# EAGLE board working (EAGLE 9.6.2), part 27 of 28
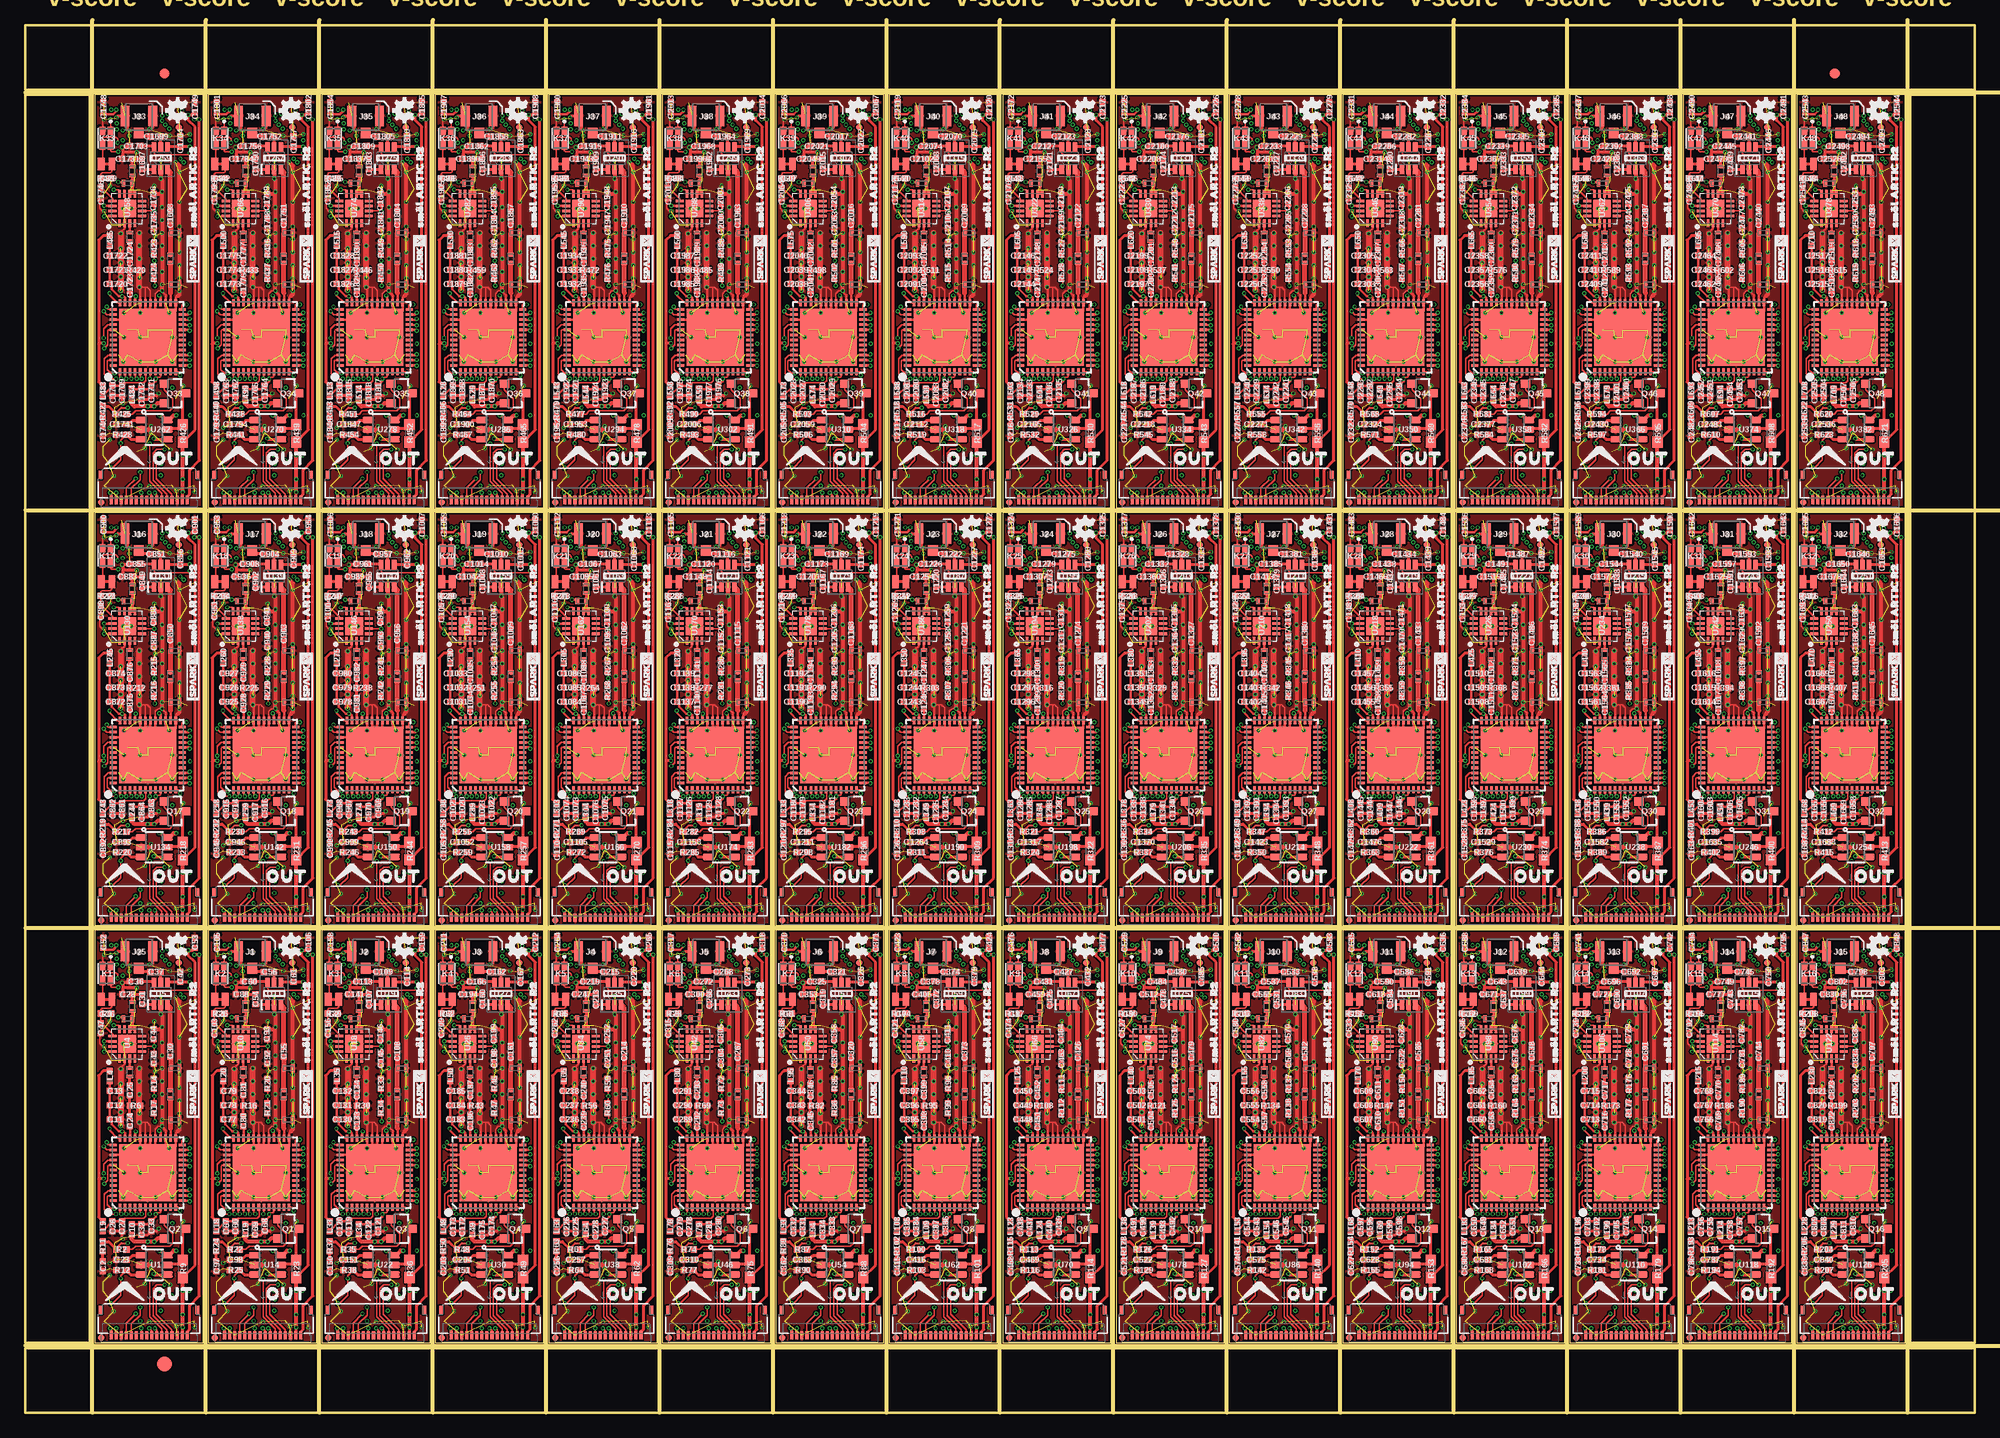
[diagram p0: board, top side]
## Tracks (layer width: path | path; a pad name or v marks a point on that pad's centre or on a via) (continued)
V_USB42  (via drill 0.2) (continued)
  Bottom 0.254: IN42.16 v120.2,128.34 v120.2,128.33
V_USB43  (via drill 0.2)
  Top 0.305: OUT43.16 131.38,90.52 v131.29,90.62
  Route15 0.305: v131.38,128.33 130.43,128.33 130.17,128.08 130.17,108.08 131.16,107.09 131.16,104.53 130.12,103.49 130.12,91.78 v131.29,90.62
  Bottom 0.254: IN43.16 v131.38,128.34 v131.38,128.33
V_USB44  (via drill 0.2)
  Top 0.305: OUT44.16 142.55,90.52 v142.46,90.62
  Route15 0.305: v142.56,128.33 141.61,128.33 141.35,128.08 141.35,108.08 142.34,107.09 142.34,104.53 141.3,103.49 141.3,91.78 v142.46,90.62
  Bottom 0.254: IN44.16 v142.55,128.34 v142.56,128.33
V_USB45  (via drill 0.2)
  Top 0.305: OUT45.16 153.73,90.52 v153.64,90.62
  Route15 0.305: v153.73,128.33 152.78,128.33 152.53,128.08 152.53,108.08 153.52,107.09 153.52,104.53 152.48,103.49 152.48,91.78 v153.64,90.62
  Bottom 0.254: IN45.16 v153.73,128.34 v153.73,128.33
V_USB46  (via drill 0.2)
  Top 0.305: OUT46.16 164.91,90.52 v164.81,90.62
  Route15 0.305: v164.91,128.33 163.96,128.33 163.7,128.08 163.7,108.08 164.69,107.09 164.69,104.53 163.65,103.49 163.65,91.78 v164.81,90.62
  Bottom 0.254: IN46.16 v164.91,128.34 v164.91,128.33
V_USB47  (via drill 0.2)
  Top 0.305: OUT47.16 176.08,90.52 v175.99,90.62
  Route15 0.305: v176.09,128.33 175.13,128.33 174.88,128.08 174.88,108.08 175.87,107.09 175.87,104.53 174.83,103.49 174.83,91.78 v175.99,90.62
  Bottom 0.254: IN47.16 v176.08,128.34 v176.09,128.33
VDD  (via drill 0.2)
  Top 0.254: L6.P$1 9.54,38.93 v9.14,38.93
  Top 0.406: Q2.2 13.03,17.15 12.71,16.83 v12.7,16.83 v12.06,16.83 10.74,16.83 10.48,17.09 L10.2
  Route15 0.254: v16.22,23 13.53,23
  Route15 0.305: v15.27,41.21 v15.61,40.88 15.68,40.8 15.68,27.88 14.54,26.73 14.1,26.73 13.53,26.16 13.53,23 13.53,19.43 12.38,18.29 12.38,16.83
  Route15 0.406: v12.06,16.83 12.38,16.83 v12.7,16.83
  Bottom 0.203: U2.1 8.9,14.97 8.7,15.18 7.81,15.18 7.6,14.97 U2.3
  Bottom 0.254: C19.1 9.27,39.05 v9.14,38.93 9.14,38.35 R3.2
  Bottom 0.406: C19.1 C16.1 C14.1 9.79,41.47 10.73,42.42 14.07,42.42 v15.61,40.88 | L1.2 13.85,16.64 13.66,16.83 v12.7,16.83 12.38,16.83 | 12.38,16.83 v12.06,16.83 | C49.1 8.96,14.11 U2.1 8.88,14.13 8.88,13.08 C3.1 C45.1 9.72,11.94 9.98,12.19 C51.1 9.94,12.35 U8.8 11.13,11.01 13.21,13.08 13.21,14.8 12.38,15.62 12.38,16.83 | v15.61,40.88 v15.27,41.21 | L3.2 8.96,30.29 12.7,30.29 13.14,30.73 13.97,30.73 14.67,31.43 16.07,31.43 VDD.1 16,33.15 16,36.38 16.89,37.27 U6.3 C46.1 16.04,39.7 16.04,39.82 | U6.1 14.99,38.78 16.04,39.82 | 16.04,39.82 16.04,40.45 v15.61,40.88 | v16.22,23 15.49,23.73 L15.2
VDD1  (via drill 0.2)
  Top 0.254: L25.P$1 20.71,38.93 v20.32,38.93
  Top 0.406: Q1.2 24.21,17.15 23.89,16.83 v23.88,16.83 v23.24,16.83 21.91,16.83 21.65,17.09 L19.2
  Route15 0.254: v27.4,23 24.7,23
  Route15 0.305: v26.45,41.21 v26.78,40.88 26.86,40.8 26.86,27.88 25.72,26.73 25.27,26.73 24.7,26.16 24.7,23 24.7,19.43 23.56,18.29 23.56,16.83
  Route15 0.406: v23.24,16.83 23.56,16.83 v23.88,16.83
  Bottom 0.203: U12.1 20.08,14.97 19.88,15.18 18.99,15.18 18.78,14.97 U12.3
  Bottom 0.254: C89.1 20.45,39.05 v20.32,38.93 20.32,38.35 R19.2
  Bottom 0.406: C89.1 C90.1 C91.1 20.96,41.47 21.91,42.42 25.24,42.42 v26.78,40.88 | L30.2 25.03,16.64 24.84,16.83 v23.88,16.83 23.56,16.83 | 23.56,16.83 v23.24,16.83 | C100.1 20.14,14.11 U12.1 20.05,14.13 20.05,13.08 C58.1 C99.1 20.9,11.94 21.15,12.19 C104.1 21.12,12.35 U16.8 22.31,11.01 24.38,13.08 24.38,14.8 23.56,15.62 23.56,16.83 | v26.78,40.88 v26.45,41.21 | L21.2 20.14,30.29 23.88,30.29 24.32,30.73 25.15,30.73 25.84,31.43 27.24,31.43 VDD1.1 27.18,33.15 27.18,36.38 28.06,37.27 U13.3 C101.1 27.21,39.7 27.21,39.82 | U13.1 26.16,38.78 27.21,39.82 | 27.21,39.82 27.21,40.45 v26.78,40.88 | v27.4,23 26.67,23.73 L17.2
VDD2  (via drill 0.2)
  Top 0.254: L40.P$1 31.89,38.93 v31.5,38.93
  Top 0.406: Q3.2 35.38,17.15 35.06,16.83 v35.05,16.83 v34.42,16.83 33.09,16.83 32.83,17.09 L34.2
  Route15 0.254: v38.57,23 35.88,23
  Route15 0.305: v37.63,41.21 v37.96,40.88 38.04,40.8 38.04,27.88 36.89,26.73 36.45,26.73 35.88,26.16 35.88,23 35.88,19.43 34.73,18.29 34.73,16.83
  Route15 0.406: v34.42,16.83 34.73,16.83 v35.05,16.83
  Bottom 0.203: U20.1 31.26,14.97 31.05,15.18 30.16,15.18 29.96,14.97 U20.3
  Bottom 0.254: C142.1 31.62,39.05 v31.5,38.93 31.5,38.35 R32.2
  Bottom 0.406: C142.1 C143.1 C144.1 32.14,41.47 33.08,42.42 36.42,42.42 v37.96,40.88 | L45.2 36.2,16.64 36.01,16.83 v35.05,16.83 34.73,16.83 | 34.73,16.83 v34.42,16.83 | C153.1 31.31,14.11 U20.1 31.23,14.13 31.23,13.08 C111.1 C152.1 32.08,11.94 32.33,12.19 C157.1 32.29,12.35 U24.8 33.49,11.01 35.56,13.08 35.56,14.8 34.73,15.62 34.73,16.83 | v37.96,40.88 v37.63,41.21 | L36.2 31.31,30.29 35.05,30.29 35.5,30.73 36.32,30.73 37.02,31.43 38.42,31.43 VDD2.1 38.35,33.15 38.35,36.38 39.24,37.27 U21.3 C154.1 38.39,39.7 38.39,39.82 | U21.1 37.34,38.78 38.39,39.82 | 38.39,39.82 38.39,40.45 v37.96,40.88 | v38.57,23 37.85,23.73 L32.2
VDD3  (via drill 0.2)
  Top 0.254: L55.P$1 43.07,38.93 v42.67,38.93
  Top 0.406: Q4.2 46.56,17.15 46.24,16.83 v46.23,16.83 v45.59,16.83 44.27,16.83 44.01,17.09 L49.2
  Route15 0.254: v49.75,23 47.05,23
  Route15 0.305: v48.8,41.21 v49.13,40.88 49.21,40.8 49.21,27.88 48.07,26.73 47.62,26.73 47.05,26.16 47.05,23 47.05,19.43 45.91,18.29 45.91,16.83
  Route15 0.406: v45.59,16.83 45.91,16.83 v46.23,16.83
  Bottom 0.203: U28.1 42.43,14.97 42.23,15.18 41.34,15.18 41.13,14.97 U28.3
  Bottom 0.254: C195.1 42.8,39.05 v42.67,38.93 42.67,38.35 R45.2
  Bottom 0.406: C195.1 C196.1 C197.1 43.31,41.47 44.26,42.42 47.6,42.42 v49.13,40.88 | L60.2 47.38,16.64 47.19,16.83 v46.23,16.83 45.91,16.83 | 45.91,16.83 v45.59,16.83 | C206.1 42.49,14.11 U28.1 42.41,14.13 42.41,13.08 C164.1 C205.1 43.25,11.94 43.51,12.19 C210.1 43.47,12.35 U32.8 44.66,11.01 46.74,13.08 46.74,14.8 45.91,15.62 45.91,16.83 | v49.13,40.88 v48.8,41.21 | L51.2 42.49,30.29 46.23,30.29 46.67,30.73 47.5,30.73 48.2,31.43 49.59,31.43 VDD3.1 49.53,33.15 49.53,36.38 50.42,37.27 U29.3 C207.1 49.56,39.7 49.56,39.82 | U29.1 48.52,38.78 49.56,39.82 | 49.56,39.82 49.56,40.45 v49.13,40.88 | v49.75,23 49.02,23.73 L47.2
VDD4  (via drill 0.2)
  Top 0.254: L70.P$1 54.24,38.93 v53.85,38.93
  Top 0.406: Q5.2 57.74,17.15 v57.42,16.83 v57.4,16.83 v56.77,16.83 55.44,16.83 55.18,17.09 L64.2
  Route15 0.254: v60.92,23 58.23,23
  Route15 0.305: v59.98,41.21 v60.31,40.88 60.39,40.8 60.39,27.88 59.25,26.73 58.8,26.73 58.23,26.16 58.23,23 58.23,19.43 57.09,18.29 57.09,16.83
  Route15 0.406: v56.77,16.83 57.09,16.83 v57.4,16.83
  Bottom 0.203: U36.1 53.61,14.97 53.4,15.18 52.51,15.18 52.31,14.97 U36.3
  Bottom 0.254: C248.1 53.97,39.05 v53.85,38.93 53.85,38.35 R58.2
  Bottom 0.406: C248.1 C249.1 C250.1 54.49,41.47 55.44,42.42 58.77,42.42 v60.31,40.88 | L75.2 58.55,16.64 58.36,16.83 v57.4,16.83 57.09,16.83 | 57.09,16.83 v56.77,16.83 | C259.1 53.66,14.11 U36.1 53.58,14.13 53.58,13.08 C217.1 C258.1 54.43,11.94 54.68,12.19 C263.1 54.65,12.35 U40.8 55.84,11.01 57.91,13.08 57.91,14.8 57.09,15.62 57.09,16.83 | v60.31,40.88 v59.98,41.21 | L66.2 53.66,30.29 57.4,30.29 57.85,30.73 58.67,30.73 59.37,31.43 60.77,31.43 VDD4.1 60.71,33.15 60.71,36.38 61.59,37.27 U37.3 C260.1 60.74,39.7 60.74,39.82 | U37.1 59.69,38.78 60.74,39.82 | 60.74,39.82 60.74,40.45 v60.31,40.88 | v60.92,23 60.2,23.73 L62.2
VDD5  (via drill 0.2)
  Top 0.254: L85.P$1 65.42,38.93 v65.02,38.93
  Top 0.406: Q6.2 68.91,17.15 68.59,16.83 v68.58,16.83 v67.95,16.83 66.62,16.83 66.36,17.09 L79.2
  Route15 0.254: v72.1,23 69.41,23
  Route15 0.305: v71.15,41.21 v71.49,40.88 71.56,40.8 71.56,27.88 70.42,26.73 69.98,26.73 69.41,26.16 69.41,23 69.41,19.43 68.26,18.29 68.26,16.83
  Route15 0.406: v67.95,16.83 68.26,16.83 v68.58,16.83
  Bottom 0.203: U44.1 64.78,14.97 64.58,15.18 63.69,15.18 63.48,14.97 U44.3
  Bottom 0.254: C301.1 65.15,39.05 v65.02,38.93 65.02,38.35 R71.2
  Bottom 0.406: C301.1 C302.1 C303.1 65.67,41.47 66.61,42.42 69.95,42.42 v71.49,40.88 | L90.2 69.73,16.64 69.54,16.83 v68.58,16.83 68.26,16.83 | 68.26,16.83 v67.95,16.83 | C312.1 64.84,14.11 U44.1 64.76,14.13 64.76,13.08 C270.1 C311.1 65.6,11.94 65.86,12.19 C316.1 65.82,12.35 U48.8 67.02,11.01 69.09,13.08 69.09,14.8 68.26,15.62 68.26,16.83 | v71.49,40.88 v71.15,41.21 | L81.2 64.84,30.29 68.58,30.29 69.02,30.73 69.85,30.73 70.55,31.43 71.95,31.43 VDD5.1 71.88,33.15 71.88,36.38 72.77,37.27 U45.3 C313.1 71.92,39.7 71.92,39.82 | U45.1 70.87,38.78 71.92,39.82 | 71.92,39.82 71.92,40.45 v71.49,40.88 | v72.1,23 71.37,23.73 L77.2
VDD6  (via drill 0.2)
  Top 0.254: L100.P$1 76.59,38.93 v76.2,38.93
  Top 0.406: Q7.2 80.09,17.15 79.77,16.83 v79.76,16.83 v79.12,16.83 77.8,16.83 77.53,17.09 L94.2
  Route15 0.254: v83.28,23 80.58,23
  Route15 0.305: v82.33,41.21 v82.66,40.88 82.74,40.8 82.74,27.88 81.6,26.73 81.15,26.73 80.58,26.16 80.58,23 80.58,19.43 79.44,18.29 79.44,16.83
  Route15 0.406: v79.12,16.83 79.44,16.83 v79.76,16.83
  Bottom 0.203: U52.1 75.96,14.97 75.76,15.18 74.87,15.18 74.66,14.97 U52.3
  Bottom 0.254: C354.1 76.33,39.05 v76.2,38.93 76.2,38.35 R84.2
  Bottom 0.406: C354.1 C355.1 C356.1 76.84,41.47 77.79,42.42 81.12,42.42 v82.66,40.88 | L105.2 80.91,16.64 80.72,16.83 v79.76,16.83 79.44,16.83 | 79.44,16.83 v79.12,16.83 | C365.1 76.02,14.11 U52.1 75.94,14.13 75.94,13.08 C323.1 C364.1 76.78,11.94 77.03,12.19 C369.1 77,12.35 U56.8 78.19,11.01 80.26,13.08 80.26,14.8 79.44,15.62 79.44,16.83 | v82.66,40.88 v82.33,41.21 | L96.2 76.02,30.29 79.76,30.29 80.2,30.73 81.03,30.73 81.73,31.43 83.12,31.43 VDD6.1 83.06,33.15 83.06,36.38 83.95,37.27 U53.3 C366.1 83.09,39.7 83.09,39.82 | U53.1 82.04,38.78 83.09,39.82 | 83.09,39.82 83.09,40.45 v82.66,40.88 | v83.28,23 82.55,23.73 L92.2
VDD7  (via drill 0.2)
  Top 0.254: L115.P$1 87.77,38.93 v87.38,38.93
  Top 0.406: Q8.2 91.27,17.15 90.95,16.83 v90.93,16.83 v90.3,16.83 88.97,16.83 88.71,17.09 L109.2
  Route15 0.254: v94.45,23 91.76,23
  Route15 0.305: v93.51,41.21 v93.84,40.88 93.92,40.8 93.92,27.88 92.77,26.73 92.33,26.73 91.76,26.16 91.76,23 91.76,19.43 90.62,18.29 90.62,16.83
  Route15 0.406: v90.3,16.83 90.62,16.83 v90.93,16.83
  Bottom 0.203: U60.1 87.14,14.97 86.93,15.18 86.04,15.18 85.84,14.97 U60.3
  Bottom 0.254: C407.1 87.5,39.05 v87.38,38.93 87.38,38.35 R97.2
  Bottom 0.406: C407.1 C408.1 C409.1 88.02,41.47 88.96,42.42 92.3,42.42 v93.84,40.88 | L120.2 92.08,16.64 91.89,16.83 v90.93,16.83 90.62,16.83 | 90.62,16.83 v90.3,16.83 | C418.1 87.19,14.11 U60.1 87.11,14.13 87.11,13.08 C376.1 C417.1 87.95,11.94 88.21,12.19 C422.1 88.17,12.35 U64.8 89.37,11.01 91.44,13.08 91.44,14.8 90.62,15.62 90.62,16.83 | v93.84,40.88 v93.51,41.21 | L111.2 87.19,30.29 90.93,30.29 91.38,30.73 92.2,30.73 92.9,31.43 94.3,31.43 VDD7.1 94.23,33.15 94.23,36.38 95.12,37.27 U61.3 C419.1 94.27,39.7 94.27,39.82 | U61.1 93.22,38.78 94.27,39.82 | 94.27,39.82 94.27,40.45 v93.84,40.88 | v94.45,23 93.73,23.73 L107.2
VDD8  (via drill 0.2)
  Top 0.254: L130.P$1 98.95,38.93 v98.55,38.93
  Top 0.406: Q9.2 102.44,17.15 102.12,16.83 v102.11,16.83 v101.47,16.83 100.15,16.83 99.89,17.09 L124.2
  Route15 0.254: v105.63,23 102.93,23
  Route15 0.305: v104.68,41.21 v105.01,40.88 105.09,40.8 105.09,27.88 103.95,26.73 103.51,26.73 102.93,26.16 102.93,23 102.93,19.43 101.79,18.29 101.79,16.83
  Route15 0.406: v101.47,16.83 101.79,16.83 v102.11,16.83
  Bottom 0.203: U68.1 98.31,14.97 98.11,15.18 97.22,15.18 97.01,14.97 U68.3
  Bottom 0.254: C460.1 98.68,39.05 v98.55,38.93 98.55,38.35 R110.2
  Bottom 0.406: C460.1 C461.1 C462.1 99.2,41.47 100.14,42.42 103.48,42.42 v105.01,40.88 | L135.2 103.26,16.64 103.07,16.83 v102.11,16.83 101.79,16.83 | 101.79,16.83 v101.47,16.83 | C471.1 98.37,14.11 U68.1 98.29,14.13 98.29,13.08 C429.1 C470.1 99.13,11.94 99.39,12.19 C475.1 99.35,12.35 U72.8 100.54,11.01 102.62,13.08 102.62,14.8 101.79,15.62 101.79,16.83 | v105.01,40.88 v104.68,41.21 | L126.2 98.37,30.29 102.11,30.29 102.55,30.73 103.38,30.73 104.08,31.43 105.47,31.43 VDD8.1 105.41,33.15 105.41,36.38 106.3,37.27 U69.3 C472.1 105.44,39.7 105.44,39.82 | U69.1 104.4,38.78 105.44,39.82 | 105.44,39.82 105.44,40.45 v105.01,40.88 | v105.63,23 104.9,23.73 L122.2
VDD9  (via drill 0.2)
  Top 0.254: L145.P$1 110.12,38.93 v109.73,38.93
  Top 0.406: Q10.2 113.62,17.15 v113.3,16.83 v113.28,16.83 v112.65,16.83 111.32,16.83 111.06,17.09 L139.2
  Route15 0.254: v116.8,23 114.11,23
  Route15 0.305: v115.86,41.21 v116.19,40.88 116.27,40.8 116.27,27.88 115.12,26.73 114.68,26.73 114.11,26.16 114.11,23 114.11,19.43 112.97,18.29 112.97,16.83
  Route15 0.406: v112.65,16.83 112.97,16.83 v113.28,16.83
  Bottom 0.203: U76.1 109.49,14.97 109.28,15.18 108.4,15.18 108.19,14.97 U76.3
  Bottom 0.254: C513.1 109.86,39.05 v109.73,38.93 109.73,38.35 R123.2
  Bottom 0.406: C513.1 C514.1 C515.1 110.37,41.47 111.31,42.42 114.65,42.42 v116.19,40.88 | L150.2 114.44,16.64 114.24,16.83 v113.28,16.83 112.97,16.83 | 112.97,16.83 v112.65,16.83 | C524.1 109.55,14.11 U76.1 109.46,14.13 109.46,13.08 C482.1 C523.1 110.31,11.94 110.56,12.19 C528.1 110.53,12.35 U80.8 111.72,11.01 113.79,13.08 113.79,14.8 112.97,15.62 112.97,16.83 | v116.19,40.88 v115.86,41.21 | L141.2 109.55,30.29 113.28,30.29 113.73,30.73 114.55,30.73 115.25,31.43 116.65,31.43 VDD9.1 116.59,33.15 116.59,36.38 117.47,37.27 U77.3 C525.1 116.62,39.7 116.62,39.82 | U77.1 115.57,38.78 116.62,39.82 | 116.62,39.82 116.62,40.45 v116.19,40.88 | v116.8,23 116.08,23.73 L137.2
VDD10  (via drill 0.2)
  Top 0.254: L160.P$1 121.3,38.93 v120.9,38.93
  Top 0.406: Q11.2 124.79,17.15 124.47,16.83 v124.46,16.83 v123.83,16.83 122.5,16.83 122.24,17.09 L154.2
  Route15 0.254: v127.98,23 125.29,23
  Route15 0.305: v127.03,41.21 v127.37,40.88 127.45,40.8 127.45,27.88 126.3,26.73 125.86,26.73 125.29,26.16 125.29,23 125.29,19.43 124.14,18.29 124.14,16.83
  Route15 0.406: v123.83,16.83 124.14,16.83 v124.46,16.83
  Bottom 0.203: U84.1 120.67,14.97 120.46,15.18 119.57,15.18 119.37,14.97 U84.3
  Bottom 0.254: C566.1 121.03,39.05 v120.9,38.93 120.9,38.35 R136.2
  Bottom 0.406: C566.1 C567.1 C568.1 121.55,41.47 122.49,42.42 125.83,42.42 v127.37,40.88 | L165.2 125.61,16.64 125.42,16.83 v124.46,16.83 124.14,16.83 | 124.14,16.83 v123.83,16.83 | C577.1 120.72,14.11 U84.1 120.64,14.13 120.64,13.08 C535.1 C576.1 121.48,11.94 121.74,12.19 C581.1 121.7,12.35 U88.8 122.9,11.01 124.97,13.08 124.97,14.8 124.14,15.62 124.14,16.83 | v127.37,40.88 v127.03,41.21 | L156.2 120.72,30.29 124.46,30.29 124.9,30.73 125.73,30.73 126.43,31.43 127.83,31.43 VDD10.1 127.76,33.15 127.76,36.38 128.65,37.27 U85.3 C578.1 127.8,39.7 127.8,39.82 | U85.1 126.75,38.78 127.8,39.82 | 127.8,39.82 127.8,40.45 v127.37,40.88 | v127.98,23 127.25,23.73 L152.2
VDD11  (via drill 0.2)
  Top 0.254: L175.P$1 132.47,38.93 v132.08,38.93
  Top 0.406: Q12.2 135.97,17.15 135.65,16.83 v135.64,16.83 v135,16.83 133.67,16.83 133.41,17.09 L169.2
  Route15 0.254: v139.16,23 136.46,23
  Route15 0.305: v138.21,41.21 v138.54,40.88 138.62,40.8 138.62,27.88 137.48,26.73 137.03,26.73 136.46,26.16 136.46,23 136.46,19.43 135.32,18.29 135.32,16.83
  Route15 0.406: v135,16.83 135.32,16.83 v135.64,16.83
  Bottom 0.203: U92.1 131.84,14.97 131.64,15.18 130.75,15.18 130.54,14.97 U92.3
  Bottom 0.254: C619.1 132.21,39.05 v132.08,38.93 132.08,38.35 R149.2
  Bottom 0.406: C619.1 C620.1 C621.1 132.72,41.47 133.67,42.42 137,42.42 v138.54,40.88 | L180.2 136.79,16.64 136.6,16.83 v135.64,16.83 135.32,16.83 | 135.32,16.83 v135,16.83 | C630.1 131.9,14.11 U92.1 131.81,14.13 131.81,13.08 C588.1 C629.1 132.66,11.94 132.91,12.19 C634.1 132.88,12.35 U96.8 134.07,11.01 136.14,13.08 136.14,14.8 135.32,15.62 135.32,16.83 | v138.54,40.88 v138.21,41.21 | L171.2 131.9,30.29 135.64,30.29 136.08,30.73 136.91,30.73 137.6,31.43 139,31.43 VDD11.1 138.94,33.15 138.94,36.38 139.82,37.27 U93.3 C631.1 138.97,39.7 138.97,39.82 | U93.1 137.92,38.78 138.97,39.82 | 138.97,39.82 138.97,40.45 v138.54,40.88 | v139.16,23 138.43,23.73 L167.2
VDD12  (via drill 0.2)
  Top 0.254: L190.P$1 143.65,38.93 v143.26,38.93
  Top 0.406: Q13.2 147.15,17.15 146.83,16.83 v146.81,16.83 v146.18,16.83 144.85,16.83 144.59,17.09 L184.2
  Route15 0.254: v150.33,23 147.64,23
  Route15 0.305: v149.39,41.21 v149.72,40.88 149.8,40.8 149.8,27.88 148.65,26.73 148.21,26.73 147.64,26.16 147.64,23 147.64,19.43 146.5,18.29 146.5,16.83
  Route15 0.406: v146.18,16.83 146.5,16.83 v146.81,16.83
  Bottom 0.203: U100.1 143.02,14.97 142.81,15.18 141.92,15.18 141.72,14.97 U100.3
  Bottom 0.254: C672.1 143.38,39.05 v143.26,38.93 143.26,38.35 R162.2
  Bottom 0.406: C672.1 C673.1 C674.1 143.9,41.47 144.84,42.42 148.18,42.42 v149.72,40.88 | L195.2 147.96,16.64 147.77,16.83 v146.81,16.83 146.5,16.83 | 146.5,16.83 v146.18,16.83 | C683.1 143.07,14.11 U100.1 142.99,14.13 142.99,13.08 C641.1 C682.1 143.84,11.94 144.09,12.19 C687.1 144.05,12.35 U104.8 145.25,11.01 147.32,13.08 147.32,14.8 146.5,15.62 146.5,16.83 | v149.72,40.88 v149.39,41.21 | L186.2 143.07,30.29 146.81,30.29 147.26,30.73 148.08,30.73 148.78,31.43 150.18,31.43 VDD12.1 150.11,33.15 150.11,36.38 151,37.27 U101.3 C684.1 150.15,39.7 150.15,39.82 | U101.1 149.1,38.78 150.15,39.82 | 150.15,39.82 150.15,40.45 v149.72,40.88 | v150.33,23 149.61,23.73 L182.2
VDD13  (via drill 0.2)
  Top 0.254: L205.P$1 154.83,38.93 v154.43,38.93
  Top 0.406: Q14.2 158.32,17.15 158,16.83 v157.99,16.83 v157.35,16.83 156.03,16.83 155.77,17.09 L199.2
  Route15 0.254: v161.51,23 158.81,23
  Route15 0.305: v160.56,41.21 v160.89,40.88 160.97,40.8 160.97,27.88 159.83,26.73 159.38,26.73 158.81,26.16 158.81,23 158.81,19.43 157.67,18.29 157.67,16.83
  Route15 0.406: v157.35,16.83 157.67,16.83 v157.99,16.83
  Bottom 0.203: U108.1 154.19,14.97 153.99,15.18 153.1,15.18 152.89,14.97 U108.3
  Bottom 0.254: C725.1 154.56,39.05 v154.43,38.93 154.43,38.35 R175.2
  Bottom 0.406: C725.1 C726.1 C727.1 155.08,41.47 156.02,42.42 159.36,42.42 v160.89,40.88 | L210.2 159.14,16.64 158.95,16.83 v157.99,16.83 157.67,16.83 | 157.67,16.83 v157.35,16.83 | C736.1 154.25,14.11 U108.1 154.17,14.13 154.17,13.08 C694.1 C735.1 155.01,11.94 155.27,12.19 C740.1 155.23,12.35 U112.8 156.42,11.01 158.5,13.08 158.5,14.8 157.67,15.62 157.67,16.83 | v160.89,40.88 v160.56,41.21 | L201.2 154.25,30.29 157.99,30.29 158.43,30.73 159.26,30.73 159.96,31.43 161.35,31.43 VDD13.1 161.29,33.15 161.29,36.38 162.18,37.27 U109.3 C737.1 161.32,39.7 161.32,39.82 | U109.1 160.28,38.78 161.32,39.82 | 161.32,39.82 161.32,40.45 v160.89,40.88 | v161.51,23 160.78,23.73 L197.2
VDD14  (via drill 0.2)
  Top 0.254: L220.P$1 166,38.93 v165.61,38.93
  Top 0.406: Q15.2 169.5,17.15 v169.18,16.83 v169.16,16.83 v168.53,16.83 167.2,16.83 166.94,17.09 L214.2
  Route15 0.254: v172.68,23 169.99,23
  Route15 0.305: v171.74,41.21 v172.07,40.88 172.15,40.8 172.15,27.88 171.01,26.73 170.56,26.73 169.99,26.16 169.99,23 169.99,19.43 168.85,18.29 168.85,16.83
  Route15 0.406: v168.53,16.83 168.85,16.83 v169.16,16.83
  Bottom 0.203: U116.1 165.37,14.97 165.16,15.18 164.28,15.18 164.07,14.97 U116.3
  Bottom 0.254: C778.1 165.74,39.05 v165.61,38.93 165.61,38.35 R188.2
  Bottom 0.406: C778.1 C779.1 C780.1 166.25,41.47 167.2,42.42 170.53,42.42 v172.07,40.88 | L225.2 170.31,16.64 170.12,16.83 v169.16,16.83 168.85,16.83 | 168.85,16.83 v168.53,16.83 | C789.1 165.43,14.11 U116.1 165.34,14.13 165.34,13.08 C747.1 C788.1 166.19,11.94 166.44,12.19 C793.1 166.41,12.35 U120.8 167.6,11.01 169.67,13.08 169.67,14.8 168.85,15.62 168.85,16.83 | v172.07,40.88 v171.74,41.21 | L216.2 165.43,30.29 169.16,30.29 169.61,30.73 170.43,30.73 171.13,31.43 172.53,31.43 VDD14.1 172.47,33.15 172.47,36.38 173.35,37.27 U117.3 C790.1 172.5,39.7 172.5,39.82 | U117.1 171.45,38.78 172.5,39.82 | 172.5,39.82 172.5,40.45 v172.07,40.88 | v172.68,23 171.96,23.73 L212.2
VDD15  (via drill 0.2)
  Top 0.254: L235.P$1 177.18,38.93 v176.78,38.93
  Top 0.406: Q16.2 180.67,17.15 180.35,16.83 v180.34,16.83 v179.71,16.83 178.38,16.83 178.12,17.09 L229.2
  Route15 0.254: v183.86,23 181.17,23
  Route15 0.305: v182.91,41.21 v183.25,40.88 183.32,40.8 183.32,27.88 182.18,26.73 181.74,26.73 181.17,26.16 181.17,23 181.17,19.43 180.02,18.29 180.02,16.83
  Route15 0.406: v179.71,16.83 180.02,16.83 v180.34,16.83
  Bottom 0.203: U124.1 176.55,14.97 176.34,15.18 175.45,15.18 175.25,14.97 U124.3
  Bottom 0.254: C831.1 176.91,39.05 v176.78,38.93 176.78,38.35 R201.2
  Bottom 0.406: C831.1 C832.1 C833.1 177.43,41.47 178.37,42.42 181.71,42.42 v183.25,40.88 | L240.2 181.49,16.64 181.3,16.83 v180.34,16.83 180.02,16.83 | 180.02,16.83 v179.71,16.83 | C842.1 176.6,14.11 U124.1 176.52,14.13 176.52,13.08 C800.1 C841.1 177.36,11.94 177.62,12.19 C846.1 177.58,12.35 U128.8 178.78,11.01 180.85,13.08 180.85,14.8 180.02,15.62 180.02,16.83 | v183.25,40.88 v182.91,41.21 | L231.2 176.6,30.29 180.34,30.29 180.78,30.73 181.61,30.73 182.31,31.43 183.71,31.43 VDD15.1 183.64,33.15 183.64,36.38 184.53,37.27 U125.3 C843.1 183.68,39.7 183.68,39.82 | U125.1 182.63,38.78 183.68,39.82 | 183.68,39.82 183.68,40.45 v183.25,40.88 | v183.86,23 183.13,23.73 L227.2
VDD16  (via drill 0.2)
  Top 0.254: L250.P$1 9.54,80.07 v9.14,80.07
  Top 0.406: Q17.2 13.03,58.3 12.71,57.97 v12.7,57.97 v12.06,57.97 10.74,57.97 10.48,58.24 L244.2
  Route15 0.254: v16.22,64.15 13.53,64.15
  Route15 0.305: v15.27,82.36 v15.61,82.03 15.68,81.95 15.68,69.02 14.54,67.88 14.1,67.88 13.53,67.31 13.53,64.15 13.53,60.58 12.38,59.44 12.38,57.97
  Route15 0.406: v12.06,57.97 12.38,57.97 v12.7,57.97
  Bottom 0.203: U132.1 8.9,56.12 8.7,56.32 7.81,56.32 7.6,56.12 U132.3
  Bottom 0.254: C884.1 9.27,80.2 v9.14,80.07 9.14,79.49 R214.2
  Bottom 0.406: C884.1 C885.1 C886.1 9.79,82.62 10.73,83.57 14.07,83.57 v15.61,82.03 | L255.2 13.85,57.78 13.66,57.97 v12.7,57.97 12.38,57.97 | 12.38,57.97 v12.06,57.97 | C895.1 8.96,55.25 U132.1 8.88,55.28 8.88,54.23 C853.1 C894.1 9.72,53.09 9.98,53.34 C899.1 9.94,53.49 U136.8 11.13,52.16 13.21,54.23 13.21,55.94 12.38,56.77 12.38,57.97 | v15.61,82.03 v15.27,82.36 | L246.2 8.96,71.44 12.7,71.44 13.14,71.88 13.97,71.88 14.67,72.58 16.07,72.58 VDD16.1 16,74.3 16,77.53 16.89,78.42 U133.3 C896.1 16.04,80.84 16.04,80.97 | U133.1 14.99,79.92 16.04,80.97 | 16.04,80.97 16.04,81.6 v15.61,82.03 | v16.22,64.15 15.49,64.88 L242.2
VDD17  (via drill 0.2)
  Top 0.254: L265.P$1 20.71,80.07 v20.32,80.07
  Top 0.406: Q18.2 24.21,58.3 23.89,57.97 v23.88,57.97 v23.24,57.97 21.91,57.97 21.65,58.24 L259.2
  Route15 0.254: v27.4,64.15 24.7,64.15
  Route15 0.305: v26.45,82.36 v26.78,82.03 26.86,81.95 26.86,69.02 25.72,67.88 25.27,67.88 24.7,67.31 24.7,64.15 24.7,60.58 23.56,59.44 23.56,57.97
  Route15 0.406: v23.24,57.97 23.56,57.97 v23.88,57.97
  Bottom 0.203: U140.1 20.08,56.12 19.88,56.32 18.99,56.32 18.78,56.12 U140.3
  Bottom 0.254: C937.1 20.45,80.2 v20.32,80.07 20.32,79.49 R227.2
  Bottom 0.406: C937.1 C938.1 C939.1 20.96,82.62 21.91,83.57 25.24,83.57 v26.78,82.03 | L270.2 25.03,57.78 24.84,57.97 v23.88,57.97 23.56,57.97 | 23.56,57.97 v23.24,57.97 | C948.1 20.14,55.25 U140.1 20.05,55.28 20.05,54.23 C906.1 C947.1 20.9,53.09 21.15,53.34 C952.1 21.12,53.49 U144.8 22.31,52.16 24.38,54.23 24.38,55.94 23.56,56.77 23.56,57.97 | v26.78,82.03 v26.45,82.36 | L261.2 20.14,71.44 23.88,71.44 24.32,71.88 25.15,71.88 25.84,72.58 27.24,72.58 VDD17.1 27.18,74.3 27.18,77.53 28.06,78.42 U141.3 C949.1 27.21,80.84 27.21,80.97 | U141.1 26.16,79.92 27.21,80.97 | 27.21,80.97 27.21,81.6 v26.78,82.03 | v27.4,64.15 26.67,64.88 L257.2
VDD18  (via drill 0.2)
  Top 0.254: L280.P$1 31.89,80.07 v31.5,80.07
  Top 0.406: Q19.2 35.38,58.3 35.06,57.97 v35.05,57.97 v34.42,57.97 33.09,57.97 32.83,58.24 L274.2
  Route15 0.254: v38.57,64.15 35.88,64.15
  Route15 0.305: v37.63,82.36 v37.96,82.03 38.04,81.95 38.04,69.02 36.89,67.88 36.45,67.88 35.88,67.31 35.88,64.15 35.88,60.58 34.73,59.44 34.73,57.97
  Route15 0.406: v34.42,57.97 34.73,57.97 v35.05,57.97
  Bottom 0.203: U148.1 31.26,56.12 31.05,56.32 30.16,56.32 29.96,56.12 U148.3
  Bottom 0.254: C990.1 31.62,80.2 v31.5,80.07 31.5,79.49 R240.2
  Bottom 0.406: C990.1 C991.1 C992.1 32.14,82.62 33.08,83.57 36.42,83.57 v37.96,82.03 | L285.2 36.2,57.78 36.01,57.97 v35.05,57.97 34.73,57.97 | 34.73,57.97 v34.42,57.97 | C1001.1 31.31,55.25 U148.1 31.23,55.28 31.23,54.23 C959.1 C1000.1 32.08,53.09 32.33,53.34 C1005.1 32.29,53.49 U152.8 33.49,52.16 35.56,54.23 35.56,55.94 34.73,56.77 34.73,57.97 | v37.96,82.03 v37.63,82.36 | L276.2 31.31,71.44 35.05,71.44 35.5,71.88 36.32,71.88 37.02,72.58 38.42,72.58 VDD18.1 38.35,74.3 38.35,77.53 39.24,78.42 U149.3 C1002.1 38.39,80.84 38.39,80.97 | U149.1 37.34,79.92 38.39,80.97 | 38.39,80.97 38.39,81.6 v37.96,82.03 | v38.57,64.15 37.85,64.88 L272.2
VDD19  (via drill 0.2)
  Top 0.254: L295.P$1 43.07,80.07 v42.67,80.07
  Top 0.406: Q20.2 46.56,58.3 46.24,57.97 v46.23,57.97 v45.59,57.97 44.27,57.97 44.01,58.24 L289.2
  Route15 0.254: v49.75,64.15 47.05,64.15
  Route15 0.305: v48.8,82.36 v49.13,82.03 49.21,81.95 49.21,69.02 48.07,67.88 47.62,67.88 47.05,67.31 47.05,64.15 47.05,60.58 45.91,59.44 45.91,57.97
  Route15 0.406: v45.59,57.97 45.91,57.97 v46.23,57.97
  Bottom 0.203: U156.1 42.43,56.12 42.23,56.32 41.34,56.32 41.13,56.12 U156.3